# Altium PCB Copy of ECU rev B pcb.PcbDoc (part 5 of 5) (continued)
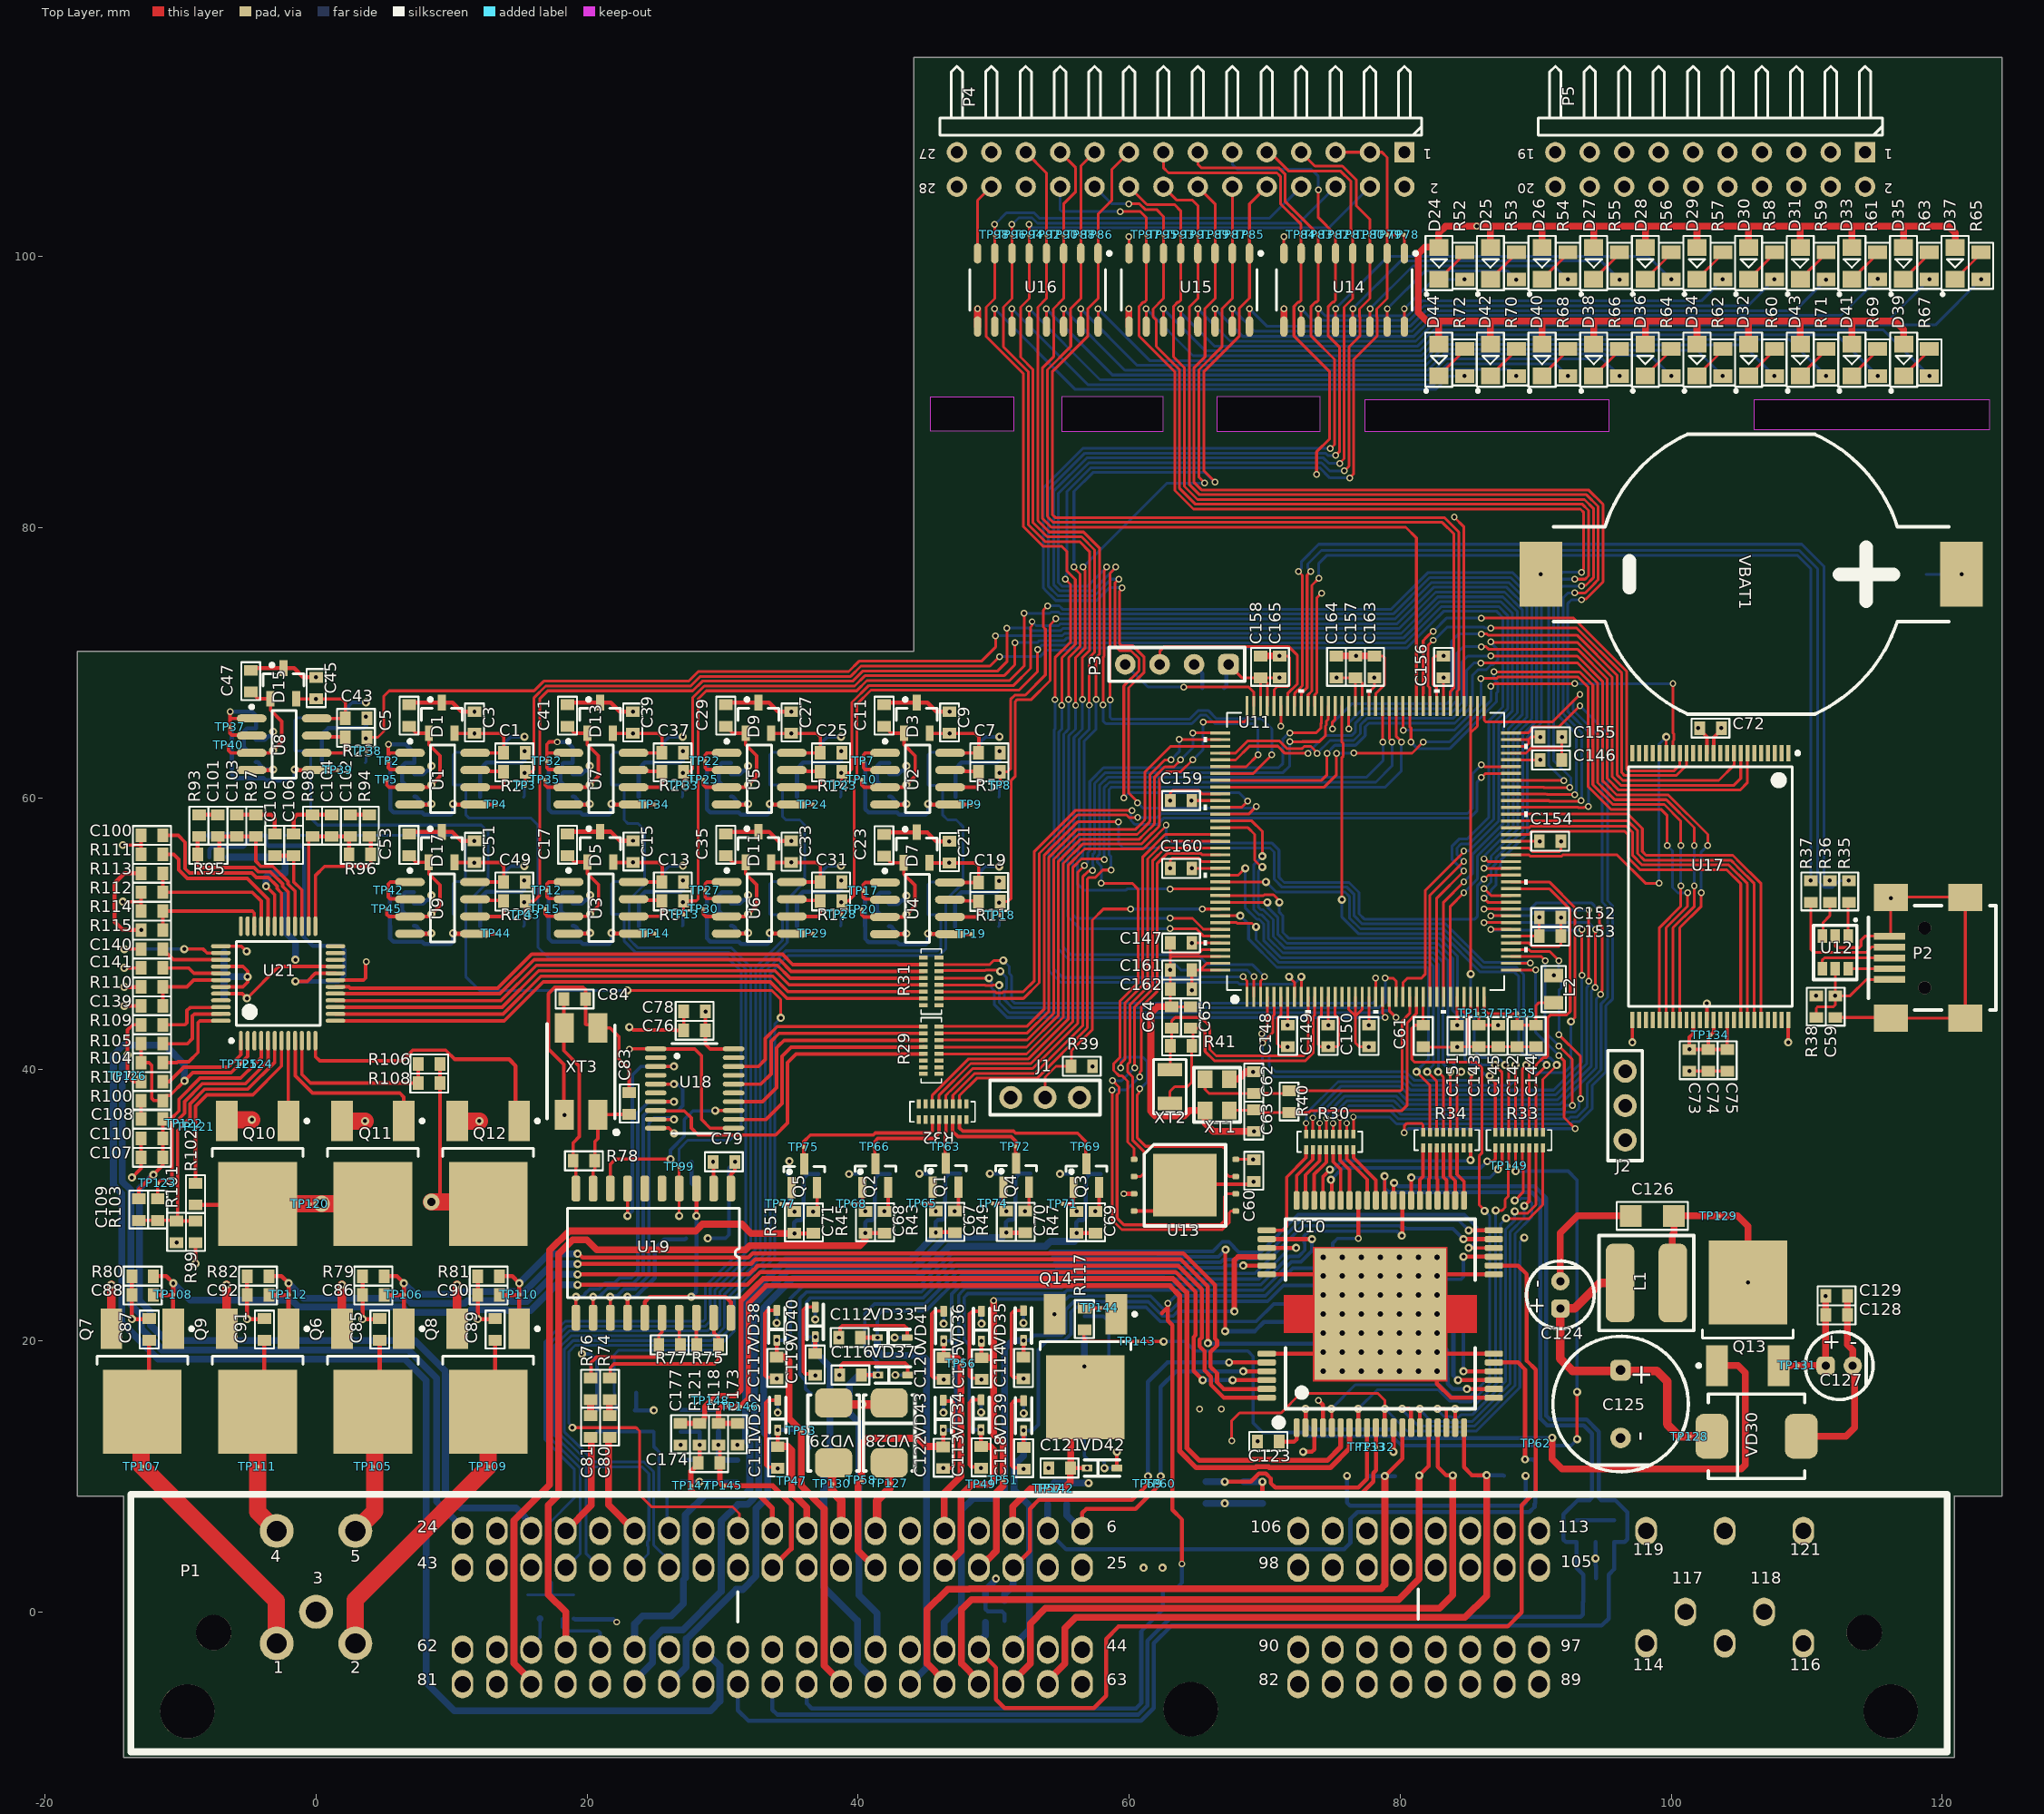
[diagram p0: Top Layer view]
## Nets (pads, with @x,y where several pads share a name; then routed paths per layer and width w, separated by ;. In a path a pad name is that pad's centre, name@x,y a point inside that pad or via, vN(x,y) a via of type N, cw(c..) or ccw(c..) an arc to the next point about the centre after c; other vN are vias at no path point) (continued)
  Bottom Layer w0.203: v2(58.166,55.499) 58.166,60.815 58.553,61.201 78.2,61.201 79.4,62.402 v2@79.4,64.168
PG8: U11.88 U13.1 | length 57.3
  Top Layer w0.203: v2(57.937,53.746) 60.223,53.746 60.655,53.315 60.655,46.385 59.334,45.065 59.334,40.919 58.852,40.437 58.852,39.953 59.272,39.532 59.502,39.532 59.893,39.141 59.893,34.656 60.364,34.185 U13.1@60.364,33.377 ; U11.88@78.699,66.814 78.699,64.38 v2@78.733,64.346
  Bottom Layer w0.203: v2(57.937,53.746) 57.937,55.015 57.662,55.29 57.662,55.708 57.81,55.856 57.81,60.962 58.405,61.557 77.5,61.557 78.74,62.797 v2@78.74,64.168
  other v2: 78.733,64.168
PG9: R34.4 U11.122 | length 38.6
  Top Layer w0.203: U11.122@66.73,58.346 69.056,58.346 69.82,57.582 v1(69.82,55.746) ; R34.4@83.689,35.373 83.689,35.357 83.7,35.346 v1(83.7,39.846)
  Bottom Layer w0.203: v1(69.82,55.746) 69.82,55.729 69.19,55.1 69.19,51.823 69.572,51.442 69.743,51.442 70.276,50.909 70.276,49.678 71.342,48.612 80.625,48.612 82.474,48.612 83.164,47.922 83.164,46.073 83.164,40.435 83.7,39.899 v1(83.7,39.846)
PG10: R34.3 U11.123 | length 38
  Top Layer w0.203: U11.123@66.73,57.846 68.773,57.846 69.266,57.353 69.266,55.449 69.77,54.946 v1(69.82,54.946) ; R34.3@84.189,35.373 84.189,39.535 v1(84.5,39.846)
  Bottom Layer w0.203: v1(69.82,54.946) 69.82,54.926 69.546,54.652 69.546,51.971 69.719,51.798 69.891,51.798 70.632,51.056 70.632,49.825 71.489,48.968 80.772,48.968 82.621,48.968 83.52,48.07 83.52,46.22 83.52,40.826 v1(84.5,39.846)
PG11: U11.124 U13.7 | length 40.8
  Top Layer w0.203: v2(59.385,40.132) 59.402,40.149 59.402,40.484 59.69,40.771 59.69,44.917 61.011,46.238 61.011,55.697 62.659,57.346 U11.124@66.73,57.346 ; v2(60.782,38.583) 60.725,38.526 60.725,38.272 60.604,38.151 60.604,34.95 61.214,34.341 66.878,34.341 67.158,34.061 67.158,32.334 67.385,32.107 U13.7@67.864,32.107
  Bottom Layer w0.203: v2(59.385,40.132) 59.385,40.64 59.665,40.919 61.011,40.919 61.341,40.589 61.341,39.116 60.808,38.583 v2(60.782,38.583)
PG12: U11.125 U13.2 | length 31
  Top Layer w0.203: U13.2@60.364,32.107 60.834,32.107 61.112,32.385 61.112,33.94 60.607,34.445 60.249,34.803 60.249,39.472 59.897,39.823 59.897,40.39 60.046,40.538 60.046,44.77 61.366,46.091 61.366,55.545 61.468,55.646 61.468,55.651 62.662,56.846 U11.125@66.73,56.846
PG13: U11.126 U13.6 | length 44.6
  Top Layer w0.203: v2(58.776,39.192) 58.777,39.192 59.254,38.715 59.254,38.298 59.106,38.149 59.106,29.055 59.611,28.55 66.726,28.55 67.031,28.854 67.031,30.632 67.235,30.837 U13.6@67.864,30.837 ; v2(60.401,40.136) 60.401,44.623 61.722,45.943 61.722,55.397 62.67,56.346 66.717,56.346 66.726,56.337 66.73,56.342 U11.126@66.73,56.346
  Bottom Layer w0.203: v2(58.776,39.192) 59.458,39.192 59.894,39.628 v2(60.401,40.136)
PG14: U11.127 U13.5 | length 43.8
  Top Layer w0.203: v2(58.75,38.506) 58.75,28.908 59.464,28.194 66.873,28.194 67.386,28.707 67.386,29.439 67.513,29.566 67.894,29.566 67.893,29.567 U13.5@67.864,29.567 ; v2(60.782,39.472) 60.802,39.491 60.802,39.823 60.909,39.931 60.909,44.628 62.078,45.796 62.078,55.22 62.813,55.955 65.283,55.955 65.342,55.896 65.392,55.846 U11.127@66.73,55.846
  Bottom Layer w0.203: v2(58.75,38.506) 59.817,38.506 v2(60.782,39.472)
"Phase sensor": C71.2 P1.79 R51.1 TP76.0 VD15.2 | length 59.9
  Top Layer w0.305: v1(35.301,27.928) C71.2@36.702,27.928
  Top Layer w0.508: P1.79@15.89,-5.33 15.89,-5.08 14.605,-3.795 14.605,6.731 17.24,9.366 17.24,24.352 17.24,26.666 18.671,28.097 28.021,28.097 28.524,28.6 31.413,28.6 32.085,27.928 v1(35.301,27.928)
  Bottom Layer w0.305: v1(35.301,27.928) 35.286,27.943 TP76.0@35.286,28.587 35.286,28.708 35.465,28.887 35.786,28.887 35.986,29.087 35.986,31.987 36.286,32.287 VD15.2@37.086,32.287
PhaseD: Q5.3 R32.11 TP75.0 | length 12.3
  Top Layer w0.254: Q5.3@36.028,33.04 36.028,33.045 35.986,33.087 TP75.0@35.986,34.285 35.986,34.687 36.478,35.179 41.137,35.179 41.29,35.331 45.333,35.331 45.482,35.48 R32.11@45.482,36.322
"RAM WP": U11.54 U17.19 | length 24.1
  Top Layer w0.203: U11.54@88.168,55.846 89.506,55.846 89.615,55.736 91.896,55.736 92.006,55.846 96,55.846 98.1,53.746 v2(99.1,53.746) ; U17.19@99.631,63.352 v1(99.631,64.538)
  Bottom Layer w0.203: v2(99.1,53.746) 99.1,64.007 v1(99.631,64.538)
RX_CAN: R30.16 U10.43 | length 4.4
  Top Layer w0.254: R30.16@76.553,34.096 76.553,33.503 78.209,31.847 U10.43@78.209,30.353
RX_Kl: R30.14 U10.46 | length 4
  Top Layer w0.254: R30.14@75.553,34.096 75.553,33.303 76.259,32.597 U10.46@76.259,30.353
"Select sensor": C67.2 P1.57 R43.1 TP64.0 VD11.2 | length 55.5
  Top Layer w0.305: v1(45.735,27.966) 45.769,28 47.102,28 C67.2@47.136,27.966
  Bottom Layer w0.305: v1@45.72,27.981 TP64.0@45.72,28.625 ; TP64.0@45.72,28.746 45.899,28.925 46.22,28.925 46.42,29.125 46.42,32.025 46.72,32.325 VD11.2@47.52,32.325
  Bottom Layer w0.508: P1.57@23.51,-2.79 23.51,-0.89 24.1,-0.3 26.2,-0.3 27.1,0.6 27.1,2.354 27.256,2.51 27.256,7.156 28.7,8.6 31.583,8.6 32.011,9.029 32.011,12.388 31.7,12.699 31.7,22.972 32.023,23.295 32.023,23.314 32.239,23.53 32.239,23.539 34.654,25.954 43.833,25.954 v1@45.779,27.9
SelectD: Q1.3 R32.13 TP63.0 | length 3.3
  Top Layer w0.254: Q1.3@46.462,33.078 46.462,33.083 46.42,33.125 TP63.0@46.42,34.323 46.42,35.371 46.482,35.433 R32.13@46.482,36.322
"Speed sensor": C68.2 P1.59 R45.1 TP67.0 VD12.2 | length 61.3
  Top Layer w0.305: v1(40.546,27.939) C68.2@41.947,27.939
  Top Layer w0.508: 17.145,1.276 17.145,7.874 17.9,8.629 17.9,26.392 18.94,27.432 19.99,27.432 20.726,26.695 31.677,26.695 31.996,27.014 40.124,27.014 40.513,27.403 40.513,27.793 40.546,27.826 v1(40.546,27.939) ; 17.174,1.241 18.43,-0.015 P1.59@18.43,-2.79
  Bottom Layer w0.305: v1(40.546,27.939) 40.531,27.954 TP67.0@40.531,28.598 40.531,28.719 40.71,28.898 41.031,28.898 41.231,29.098 41.231,31.998 41.531,32.298 VD12.2@42.331,32.298
SpeedD: Q2.3 R32.12 TP66.0 | length 7.7
  Top Layer w0.254: Q2.3@41.273,33.051 41.273,33.056 41.231,33.098 TP66.0@41.231,34.296 41.231,34.698 41.458,34.925 45.593,34.925 45.974,35.306 45.974,36.314 R32.12@45.982,36.322
Starter: C116.2 P1.50 TP52.0 U10.57 VD21.2 VD37.1 | length 60.1
  Top Layer w0.305: C116.2@40.234,17.471 v2(41.469,17.471) ; v1(68.415,25.545) 69.715,25.545 69.716,25.546 U10.57@70.152,25.546
  Bottom Layer w0.254: v2(41.469,17.471) 41.469,18.431 40.5,19.4 40.5,22 41.2,22.7 44.925,22.7 47.432,25.206 54.557,25.206 54.716,25.366 62.417,25.366 62.433,25.382 66.932,25.382 67.095,25.545 v1(68.415,25.545)
  Bottom Layer w0.508: P1.50@41.29,-2.79 41.29,-2.31 41.4,-2.2 41.4,-0.1 40.053,1.247 40.053,13.946 39.353,14.646 39.353,16.753 40.071,17.471 TP52.0@40.337,17.471 v2(41.469,17.471)
"Step phase A": C169.2 P1.67 TP138.0 U10.13 | length 54.6
  Top Layer w0.305: v1(78.871,10.01) 80.159,11.298 U10.13@80.159,13.589
  Top Layer w0.508: P1.67@46.37,-5.33 46.37,-5.08 45.089,-3.799 45.089,0.154 46.613,1.678 48.192,1.678 48.217,1.703 78.574,1.703 78.871,2.001 v1(78.871,10.01)
  Bottom Layer w0.305: C169.2@77.676,10.03 77.696,10.01 v1(78.871,10.01) TP138.0@79.629,10.01
"Step phase B": C168.2 P1.66 TP139.0 U10.16 | length 57.1
  Top Layer w0.305: v1(81.411,10.06) 82.109,10.757 U10.16@82.109,13.589
  Top Layer w0.508: P1.66@48.91,-5.33 48.91,-5.08 47.629,-3.799 47.629,0.181 48.364,0.916 79.887,0.916 81.411,2.44 v1(81.411,10.06)
  Bottom Layer w0.305: C168.2@77.676,8.633 80.955,8.633 81.411,9.089 v1(81.411,10.06)
"Step phase C": C167.2 P1.65 TP140.0 U10.17 | length 55.2
  Top Layer w0.305: U10.17@82.759,13.589 82.759,10.713 83.412,10.06 v1(83.886,10.06)
  Top Layer w0.508: P1.65@51.45,-5.33 51.45,-5.08 52.709,-3.821 52.709,-0.862 53.827,0.255 82.91,0.255 83.886,1.232 v1(83.886,10.06)
  Bottom Layer w0.305: v1@83.886,9.98 83.886,8.811 84.065,8.633 C167.2@87.663,8.633
"Step phase D": C166.2 P1.64 TP141.0 U10.20 | length 52.5
  Top Layer w0.305: U10.20@84.709,13.589 84.709,10.668 85.29,10.087 v1(86.376,10.087)
  Top Layer w0.508: P1.64@53.99,-5.33 53.99,-5.08 55.249,-3.821 55.249,-1.216 56.06,-0.405 84.789,-0.405 86.376,1.182 v1(86.376,10.087)
  Bottom Layer w0.305: TP141.0@85.725,10.033 86.322,10.033 v1(86.376,10.087) 87.606,10.087 C166.2@87.663,10.03
SWCLK: P3.4 U11.107 | length 11.4
  Top Layer w0.203: P3.4@59.69,69.873 P3.4@59.713,69.896 ; v2(64.039,68.224) 68.821,68.224 69.2,67.846 69.2,66.846 69.199,66.845 U11.107@69.199,66.814
  Bottom Layer w0.203: P3.4@59.713,69.896 61.385,68.224 v2(64.039,68.224)
SWDIO: P3.3 U11.102 | length 15.6
  Top Layer w0.203: P3.3@62.253,69.896 62.281,69.924 62.281,70.891 62.611,71.222 71.755,71.222 72.421,70.556 72.421,68.467 71.7,67.746 U11.102@71.699,66.814 U11.102@71.699,66.814
Taxo: C121.2 P1.8 Q14.4 R116.1 TP57.0 TP142.0 VD26.2 VD31.0 VD42.1 | length 16.9
  Top Layer w0.305: C121.2@55.7,11 55.7,10.643 C121.2@55.664,10.607 v2(56.899,10.607)
  Top Layer w0.508: P1.8@51.45,5.97 51.4,6.02 51.4,7.75 52.75,9.1 53.986,9.1 TP142.0@54.561,9.1 55.2,9.1 55.664,9.564 C121.2@55.664,10.607 ; C121.2@55.7,11 55.7,14.75 Q14.4@56.775,15.824
  Bottom Layer w0.508: v1(56.7,18.11) 56.7,18.6 56.8,18.7 56.7,18.8 R116.1@56.7,20.2
TaxoOut: R33.12 R117.2 TP143.0 | length 68.8
  Top Layer w0.203: v1(88.519,32.512) 88.519,34.219 R33.12@88.523,34.223
  Top Layer w0.254: R117.2@56.7,20.8 56.7,20.764 56.668,20.732 56.668,20.131 56.853,19.946 TP143.0@60.58,19.946 v1(62.553,19.946) ; v1(93.053,12.739) v1(93.053,16.227)
  Bottom Layer w0.254: v1(62.553,19.946) 64.153,19.946 64.853,19.246 65.454,19.246 66.253,19.246 68.753,19.246 69.153,18.846 69.153,13.946 69.853,13.246 72.953,13.246 73.253,12.946 79.407,12.946 80.097,12.257 92.615,12.257 v1@92.904,12.546 ; v1(88.519,32.512) 92.387,32.512 93.053,31.846 v1(93.053,16.227)
TPS: C10.2 D4.1 R5.2 TP8.0 U11.47 | length 81.7
  Top Layer w0.203: TP8.0@50.486,60.953 R5.2@50.486,61.97 51.024,61.97 51.244,62.19 51.244,67.307 51.572,67.634 52.344,67.634 53.819,69.109 53.819,72.507 53.67,72.656 53.67,73.896 v2(53.993,74.219) ; v2@86.2,52.646 v2(86.194,52.639) 86.487,52.346 U11.47@88.168,52.346
  Bottom Layer w0.203: D4.1@50.378,60.107 50.429,60.158 v1(50.429,61.885) ; v2(53.993,74.219) 54.835,74.219 55.089,73.965 79.338,73.965 82.027,76.653 88.304,76.653 90.424,74.534 90.424,65.583 89.396,64.555 89.396,57.436 87.415,55.455 87.415,55.042 87.06,54.687 87.06,53.605 86.704,53.25 86.704,53.137 86.206,52.639 v2(86.194,52.639)
"TPS sensor": C8.2 P1.16 R4.1 TP6.0 VD2.2 | length 96.9
  Top Layer w0.203: v1(18.923,13.589) 23.622,13.589 23.876,13.335 23.876,8.636 24.765,7.747 30.734,7.747 31.242,7.239 31.242,6.082 P1.16@31.13,5.97
  Bottom Layer w0.203: v1(18.923,13.589) 18.923,13.649 18.669,13.903 18.669,19.197 19.131,19.66 29.317,19.66 30.505,20.848 30.505,23.287 33.503,26.284 33.503,47.097 34.818,48.412 45.994,48.412 46.459,48.877 46.459,52.495 47.752,53.788 47.752,57.912 47.244,58.42 46.609,58.42 46.228,58.801 46.228,60.706 45.974,60.96 R4.1@45.212,60.96 ; R4.1@45.171,60.996 C8.2@45.171,62.393 45.171,63.231 45.349,63.409 TP6.0@46.069,63.409 VD2.2@46.789,63.409
TX_CAN: R30.15 U10.44 | length 4.4
  Top Layer w0.254: R30.15@76.053,34.096 76.053,33.403 77.559,31.897 U10.44@77.559,30.353
TX_Kl: R30.13 U10.47 | length 4
  Top Layer w0.254: R30.13@75.053,34.096 75.053,33.203 75.609,32.647 U10.47@75.609,30.353
"USB ID": R37.1 U11.99 | length 70.8
  Top Layer w0.203: U11.99@73.199,66.814 73.199,67.648 73.488,67.936 73.488,75.733 v2(74,76.246)
  Bottom Layer w0.203: v2(74,76.246) 74,77.346 74.6,77.946 109.3,77.946 110.3,76.946 v2(110.3,53.946)
"USB Vin": R38.2 U11.98 | length 73.1
  Top Layer w0.203: U11.98@73.699,66.814 73.699,67.645 73.843,67.789 73.843,74.789 v2(74.2,75.146)
  Power w0.203: v2(74.2,75.146) 75.537,73.808 108.387,73.808 108.8,73.395 108.8,46.546 109.916,45.43 110.684,45.43 v2(110.7,45.446)
USB_N: R35.1 U11.100 | length 75.2
  Top Layer w0.203: U11.100@72.699,66.814 72.699,67.739 73.132,68.172 73.132,76.478 v2(73.4,76.746)
  Bottom Layer w0.203: v2(73.4,76.746) 73.4,76.792 73.179,77.013 73.179,77.3 74.179,78.301 109.447,78.301 110.804,76.945 110.804,53.934 111.296,53.442 111.909,53.442 112.413,53.946 v2(113.1,53.946)
USB_P: R36.1 U11.101 | length 74.4
  Top Layer w0.203: U11.101@72.199,66.814 72.199,67.742 72.777,68.319 72.777,76.469 v2@72.515,76.731
  Bottom Layer w0.203: v2(72.5,76.746) 72.5,76.792 72.721,77.013 72.721,77.49 73.99,78.758 109.637,78.758 111.261,77.134 111.261,54.123 111.382,54.002 111.643,54.002 v2(111.7,53.946)
Vbatt: P1.12 P5.1 P5.2 R85.2 R110.2 R116.2 TP127.0 VD1.1 VD2.1 VD3.1 VD4.1 VD5.1 VD6.1 VD7.1 VD8.1 VD9.1 VD11.1 VD12.1 VD13.1 VD14.1 VD15.1 VD16.1 VD17.1 VD18.1 VD19.1 VD20.1 VD21.1 VD22.1 VD23.1 VD24.1 VD25.1 VD26.1 VD27.1 VD28.0 VD31.1 | length 412
  Top Layer w0.305: v1(-14.159,46.101) R110.2@-12.903,46.101
  Top Layer w0.635: P1.12@41.4,6 41.4,8.2 42.3,9.1 TP127.0@42.3,9.461 VD28.0@42.3,10.99
  Top Layer w1.27: P1.12@41.29,5.97 41.37,5.97 P1.12@41.4,6
  Power w0.508: v1(-14.159,46.101) -15.78,46.101 ; v1(15.371,55.018) 15.371,58.042 15.669,58.339 27.074,58.339 ; v1(15.377,64.552) 15.395,64.57 15.395,64.635 15.4,64.64 15.4,67.468 ; v1(27.061,64.552) 27.061,67.377 27.152,67.468 ; v1(27.074,55.03) 27.074,58.339 ; v1(34.925,33.249) 34.913,33.237 34.913,32.136 ; v1(38.745,55.027) 38.745,58.346 ; v1(38.745,64.552) 38.745,67.468 ; v1(50.419,54.991) 50.419,58.048 50.121,58.346 49.3,58.346 ; v1@54.898,32.298 49.721,32.298 44.52,32.298 v1(39.331,32.298) 39.169,32.136 34.913,32.136 ; v1(58.181,10.607) 58.181,10.582 58.466,10.297 58.466,4.619 58.764,4.322 62.165,4.322 62.462,4.024 v1(62.462,3.26) ; -15.78,46.101 -15.78,24.965 -16.175,24.57 -16.175,23.69 -15.553,23.068 -8.06,23.068 -7.666,23.462 -7.666,30.637 -6.167,32.136 34.913,32.136 ; -15.78,46.101 -15.78,64.636 -12.827,67.589 -1.35,67.589 -1.052,67.887 -1.052,69.386 -0.43,70.008 0.802,70.008 3.718,67.092 4.094,67.468 15.4,67.468 ; 15.4,67.468 27.061,67.468 38.745,67.468 ; 27.074,58.339 27.074,58.346 38.745,58.346 ; 38.745,58.346 49.3,58.346 ; 38.745,67.468 50.131,67.468 50.429,67.17 v1(50.429,64.552) 49.706,64.552 49.3,64.146 49.3,58.346
  Power w0.635: v1(34,21.317) 34.228,21.546 35.4,21.546 ; v1(34.07,14.7) 35.346,14.7 ; P1.12@41.29,5.97 41.3,5.98 41.3,9.9 ; 42.701,21.198 42.329,21.57 v1(36.833,21.57) 36.808,21.546 35.4,21.546 ; v1(42.751,17.471) 42.751,20.181 v1(42.701,20.232) 42.701,21.268 v1(46.317,21.268) 49.097,21.268 v1(49.104,21.261) 52.158,21.261 v1(52.202,21.305) 52.202,21.418 54.9,24.116 v1(54.9,32.3) ; v1@46.3,14.7 47.681,14.7 47.681,9.815 47.309,9.443 43.637,9.443 43.18,9.9 41.3,9.9 ; 47.681,14.687 49.047,14.687 v1(49.079,14.719) 49.144,14.654 v1(52.214,14.654) 57.602,14.654 57.974,14.282 57.974,10.814 v1(58.181,10.607) ; 35.346,14.7 35.4,14.7 35.4,21.546 ; 35.346,14.7 40.146,9.9 41.3,9.9
  Bottom Layer w0.254: VD8.1@2.253,65.949 2.253,66.668 2.677,67.092 v1(3.693,67.092) ; VD9.1@13.931,53.875 13.931,54.594 14.355,55.018 v1(15.371,55.018) ; VD1.1@13.937,63.409 13.937,64.128 14.361,64.552 v1(15.377,64.552) ; VD7.1@25.621,63.409 25.621,64.128 26.045,64.552 v1(27.061,64.552) ; VD3.1@25.634,53.887 25.634,54.606 26.058,55.03 v1(27.074,55.03) ; v1(34,21.317) VD22.1@34,22.235 ; v1(34.07,14.7) VD16.1@34.07,15.617 ; VD15.1@34.886,32.287 34.786,32.287 34.925,32.426 v1(34.925,33.249) ; v1(36.833,21.57) VD24.1@36.833,22.488 ; VD6.1@37.305,53.884 37.305,54.603 37.729,55.027 v1(38.745,55.027) ; VD5.1@37.305,63.409 37.305,64.128 37.729,64.552 v1(38.745,64.552) ; v1(39.331,32.298) 40.031,32.298 VD12.1@40.131,32.298 ; v1(42.701,20.232) VD17.1@43.618,20.232 ; v1(42.751,17.471) VD21.1@43.669,17.471 ; v1(44.52,32.325) 45.22,32.325 VD11.1@45.32,32.325 ; VD27.1@46.284,15.611 46.289,15.611 46.3,15.6 v1(46.3,14.7) ; v1(46.317,21.268) VD25.1@46.317,22.186 ; VD4.1@48.979,53.848 48.979,54.567 49.403,54.991 v1(50.419,54.991) ; VD2.1@48.989,63.409 48.989,64.128 49.413,64.552 v1(50.429,64.552) ; v1(49.079,14.719) VD18.1@49.079,15.637 ; v1(49.104,21.261) VD20.1@49.104,22.179 ; v1(49.721,32.325) 50.421,32.325 VD14.1@50.521,32.325 ; v1(52.202,21.305) VD19.1@52.202,22.223 ; v1(52.214,14.654) VD23.1@52.214,15.572 ; v1(54.9,32.3) 55.6,32.3 VD13.1@55.7,32.3 ; R116.2@56.7,21.8 58.1,21.8 58.5,21.4 58.5,13.992 58.198,13.691 VD31.1@56.7,13.691 56.7,11.49 56.983,11.207 57.999,11.207 58.172,11.034 58.172,10.617 v1(58.181,10.607) VD26.1@59.099,10.607
Vcc: C123.2 C126.2 D24.2 D25.2 D26.2 D27.2 D28.2 D29.2 D30.2 D31.2 D32.2 D33.2 D34.2 D35.2 D36.2 D37.2 D38.2 D39.2 D40.2 D41.2 D42.2 D43.2 D44.2 L1.2 P5.3 P5.4 Q13.4 TP129.0 U10.12 U14.9 U15.9 U16.9 | length 182.8
  Top Layer w0.305: v1@79.509,12.072 U10.12@79.509,13.589 ; L1.2@100.076,24.13 100.121,24.175 L1.2@100.121,24.257
  Top Layer w0.508: U16.9@48.814,94.817 v2(48.814,96.12) ; U15.9@59.99,94.817 v2(59.99,96.12) ; U14.9@71.42,94.817 v2(71.42,96.12) ; D24.2@82.82,100.692 81.834,100.692 81.326,100.184 81.326,95.866 81.961,95.231 82.85,95.231 ; D44.2@82.85,93.517 82.85,95.231 ; D24.2@82.865,100.647 82.851,100.934 82.85,101.454 82.85,101.708 83.358,102.216 v2(85.645,102.216) 86.66,102.216 ; D42.2@86.66,93.517 86.66,95.231 ; D25.2@86.66,100.647 86.66,102.216 ; D40.2@90.47,93.517 90.47,95.231 ; D26.2@90.47,100.647 90.47,102.216 ; D38.2@94.28,93.517 94.28,95.231 ; D27.2@94.28,100.647 94.28,102.216 ; D36.2@98.09,93.517 98.09,95.231 ; D28.2@98.09,100.647 98.09,102.108 98.199,102.216 ; L1.2@100.076,24.13 100.076,27.813 100.203,27.94 C126.2@100.203,29.21 104.902,29.21 105.658,28.454 v1(105.658,24.291) ; D34.2@101.9,93.517 101.9,95.231 ; D29.2@101.9,100.647 101.9,102.216 ; D32.2@105.71,93.517 105.71,95.231 ; D30.2@105.71,100.647 105.71,102.216 ; D43.2@109.52,93.517 109.52,95.231 ; D31.2@109.52,100.647 109.52,102.216 ; D41.2@113.33,93.517 113.33,95.231 ; D33.2@113.33,100.647 113.33,102.216 ; D39.2@117.14,93.517 117.14,94.596 116.505,95.231 113.33,95.231 ; D35.2@117.14,100.647 117.14,102.216 ; D37.2@120.95,100.647 120.95,101.708 120.442,102.216 117.14,102.216 ; 82.85,95.231 86.66,95.231 ; 86.66,95.231 90.47,95.231 ; 86.66,102.216 90.47,102.216 ; 90.47,95.231 94.28,95.231 ; 90.47,102.216 94.28,102.216 ; 94.28,95.231 98.09,95.231 ; 94.28,102.216 98.199,102.216 ; 98.09,95.231 101.9,95.231 ; 98.199,102.216 101.9,102.216 ; 101.9,95.231 105.71,95.231 ; 101.9,102.216 105.71,102.216 ; 105.71,95.231 109.52,95.231 ; 105.71,102.216 109.52,102.216 ; 109.52,95.231 113.33,95.231 ; 109.52,102.216 113.33,102.216 ; 113.33,102.216 117.14,102.216
  Power w0.508: v1(69.469,12.573) 79.183,12.573 79.484,12.272 79.484,11.829 v1(79.502,11.811) 79.527,11.811 79.667,11.951 95.489,11.951 95.782,11.659 96.75,11.659 97.043,11.951 104.106,11.951 105.658,13.504 v1(105.658,24.291)
VDD_G: Q13.1 U10.2 | length 46.5
  Top Layer w0.305: U10.2@73.009,13.589 73.025,13.589 v1(73.025,14.986)
  Top Layer w0.508: v1(91.22,12.836) 91.22,11.279 91.953,10.546 105.155,10.546 105.453,10.844 105.453,17.646 104.938,18.161 Q13.1@103.378,18.161
  Bottom Layer w0.305: v1(73.025,14.986) 73.025,13.843 73.406,13.462 79.502,13.462 80.137,12.827 v1@91.22,12.827
Vin: C124.1 C125.1 L1.1 TP128.0 VD28.1 VD29.1 VD30.1 | length 97.1
  Top Layer w0.635: VD29.1@38.6,15.3 v1(40.3,15.3) 42.191,15.3 VD28.1@42.3,15.409 ; L1.1@96.221,24.257 94.742,24.257 92.869,22.384 C124.1@91.821,22.384 91.821,18.669 92.71,17.78 98.933,17.78 99.695,17.018 99.695,13.843 100.584,12.954 VD30.1@102.999,12.954
  Top Layer w1.27: VD29.1@38.2,15.409 38.49,15.409 VD29.1@38.6,15.3
  Power w0.635: v1@40.348,15.3 44.264,15.3 44.91,15.946 59.5,15.946 61.679,13.767 88.521,13.767 89.5,14.746 95.5,14.746 96.266,15.512 C125.1@96.266,17.827
  Power w1.27: C124.1@91.821,22.384 95.362,22.384 96.266,21.48 C125.1@96.266,17.827
Vkey: P1.13 P5.5 P5.6 TP130.0 U10.11 VD29.0 | length 86.4
  Top Layer w0.203: v2(67.564,12.624) 67.564,14.097 68.148,14.681 71.222,14.681 72.651,16.11 78.359,16.11 78.859,15.61 v1@78.859,14.978
  Top Layer w0.254: P1.13@38.745,5.975 P1.13@38.75,5.97
  Top Layer w0.305: U10.11@78.859,13.589 v1@78.859,14.978
  Top Layer w0.635: VD29.0@38.2,10.99 38.1,10.89 TP130.0@38.1,9.422 38.1,8.9 38.745,8.255 P1.13@38.745,5.975
  Power w0.635: P1.13@38.75,5.97 39.039,5.97 39.065,5.944 39.065,5.405 40.02,4.45 40.02,2.055 40.462,1.613 65.333,1.613 65.705,1.985 65.705,10.765 v2(67.564,12.624)
  Bottom Layer w0.203: v1(78.859,14.986) 78.867,14.986 80.518,13.335 83.321,13.335 83.388,13.268 84.73,13.268 84.797,13.335 85.616,13.335 88.831,16.55 88.831,25.966 88.853,25.988 88.853,27.305 v1(89.153,27.605)
Vmain: P1.44 P1.63 R28.1 | length 47.5
  Power w0.508: v2(22.2,-0.754) 22.2,-6.354 22.931,-7.085 56.011,-7.085 56.53,-6.567 P1.63@56.53,-5.33
  Power w1.27: P1.63@56.53,-5.33 P1.44@56.53,-2.79
  Bottom Layer w0.305: R28.1@19.012,-0.504 19.05,-0.504 19.1,-0.554 21.947,-0.554 22.147,-0.754 v2(22.2,-0.754)
VRS: R33.11 TP149.0 U10.8 | length 30.8
  Top Layer w0.203: v1(87.053,29.611) 87.518,29.611 87.742,29.834 87.742,30.418 87.965,30.641 87.965,32.741 87.992,32.769 87.992,32.874 TP149.0@88.011,32.893 88.011,34.211 R33.11@88.023,34.223
  Top Layer w0.305: U10.8@76.909,13.589 v1(76.909,14.986)
  Bottom Layer w0.203: v1(76.909,14.986) 78.313,16.39 82.802,16.39 83.657,15.535 83.825,15.535 83.83,15.54 84.288,15.54 84.332,15.497 85.263,15.497 87.053,17.287 v1(87.053,29.611)
VRS_N: C173.2 R118.2 TP146.0 U10.7 | length 71.3
  Top Layer w0.381: C173.2@31.1,13.9 R118.2@29.7,13.9 29.7,14.919 29.923,15.142 TP146.0@31.287,15.142 31.887,15.742 31.887,20.421 31.903,20.437 31.903,22.736 33.221,24.055 63.001,24.055 63.722,23.334 63.722,11.87 64.957,10.635 69.312,10.635 69.379,10.702 70.29,10.702 70.357,10.635 74.834,10.635 76.259,12.06 U10.7@76.259,13.589
VRS_P: C177.2 R121.2 TP148.0 U10.6 | length 71.7
  Top Layer w0.381: C177.2@26.9,13.9 R121.2@28.3,13.9 28.4,13.9 28.61,14.11 28.61,14.26 28.683,14.333 28.683,15.14 29.107,15.564 29.497,15.954 30.964,15.954 31.353,16.344 31.353,22.964 32.659,24.27 32.682,24.27 33,24.588 63.222,24.588 64.255,23.555 64.255,12.091 65.178,11.168 69.091,11.168 69.158,11.235 70.511,11.235 70.578,11.168 74.613,11.168 75.609,12.164 U10.6@75.609,13.589
VUSB: C59.1 C163.2 P2.1 R38.1 U11.90 U12.5 | length 66
  Top Layer w0.203: U11.90@77.699,66.814 77.699,67.845 78.1,68.246 v1(78.099,68.914) v1(78.099,68.914) ; R38.1@110.7,43.846 110.7,44.527 110.819,44.646 111.981,44.646 112.1,44.765 v2(112.1,45.446) ; U12.5@112.1,47.446 v2(112.1,45.446) ; P2.1@116.1,46.646 114.4,46.646 113.2,45.446 v2(112.1,45.446)
  Power w0.254: v1(78.099,68.914) 78.83,69.646 83.7,69.646 87.037,66.309 103.335,66.309 108.2,61.444 108.2,46.146 109.8,44.546 111.8,44.546 112.1,44.846 v2(112.1,45.446)
WDA: R34.9 U10.38 | length 4
  Top Layer w0.254: U10.38@81.459,30.353 81.459,31.875 81.689,32.105 R34.9@81.689,34.223
"WLS in": P1.55 R100.2 R104.2 R105.2 TP125.0 U21.2 | length 115.8
  Top Layer w0.203: P1.55@28.59,-2.79 P1.55@28.617,-2.79 ; P1.55@28.59,-2.763 P1.55@28.617,-2.79 ; P1.55@28.712,-2.885 P1.55@28.617,-2.79
  Top Layer w0.254: R105.2@-12.903,41.91 -12.954,41.859 -12.903,41.808 R104.2@-12.903,40.513 -12.325,40.513 -12.115,40.303 -12.115,37.868 -11.966,37.719 R100.2@-11.303,37.719 -11.303,37.819 -11.03,38.092 -10.778,38.092 v1(-9.703,39.167) -9.095,39.775 -6.26,39.775 TP125.0@-5.65,40.385 -5.044,40.991 U21.2@-5.044,42.13
  Bottom Layer w0.508: -11.794,18.796 -11.642,18.644 6.542,18.644 8.128,17.057 8.128,17.032 8.128,2.794 8.128,-5.228 10.2,-7.3 29.1,-7.3 29.8,-6.6 29.8,-4 P1.55@28.59,-2.79 ; -11.681,18.683 -14.335,21.337 -14.335,30.856 -14.948,31.469 -14.948,41.073 -14.216,41.804 -11.134,41.804 -9.703,40.373 v1(-9.703,39.167)
pads on no net: J1.1 J2.3 P1.0 P1.82 P1.83 P1.84 P1.85 P1.86 P1.87 P1.88 P1.89 P1.90 P1.91 P1.92 P1.93 P1.94 P1.95 P1.96 P1.97 P1.98 P1.99 P1.100 P1.101 P1.102 P1.103 P1.104 P1.105 P1.106 P1.107 P1.108 P1.109 P1.110 P1.111 P1.112 P1.113 P1.114 P1.115 P1.116 P1.117 P1.118 P1.119 P1.120 P1.121 P2.7 R28.3 R29.1 R29.2 R29.3 R29.14 R29.15 R29.16 R31.1 R31.8 R31.9 R31.16 R32.1 R32.7 R32.8 R32.9 R32.10 R32.16 R34.2 R34.15 U11.15 U17.1 U17.2 U17.3 U17.4 U17.5 U17.6 U17.10 U17.11 U17.14 U17.15 U17.20 U17.21 U17.22 U17.23 U17.24 U17.26 U17.27 U17.28 U17.33 U17.35 U17.38 U17.40 U17.45 U17.46 U17.47 U18.2 U18.4 U18.6 U18.15 U18.17 U18.19 U19.5 U19.6 U21.3 U21.11 U21.22 U21.23 U21.24 U21.35 U21.36 U21.45 XT2.3

## Polygon pours and split planes (outlines as drawn)
GND on GND "GND_GND_P003" (solid, pour order 3): 55.672,70.847 44.496,70.847 44.496,114.281 124.1,114.281 124.1,34.946 45.7,34.946 45.7,48.346 55.672,48.346
GND on GND "GND_GND_P001" (solid, pour order 1): 120.6,8.846 124.1,8.846 124.1,34.646 45.529,34.646 45.339,34.836 45.339,48.436 4.42,48.436 4.42,60.436 -7.18,60.436 -7.18,70.485 -17.38,70.485 -17.38,25.236 17.018,25.236 17.018,-10.164 120.6,-10.164
GND on GND "GND_GND_P002" (solid, pour order 2): -17.38,25.036 16.82,25.036 16.82,-10.164 -13.9,-10.164 -13.9,9.036 -17.38,9.036
GND on GND "GND_GND_P000" (solid, pour order 0): -6.985,70.485 -6.985,60.636 4.699,60.636 4.699,48.636 55.291,48.636 55.291,70.485 4.699,70.485
3V3 on Power "POWER_3V3_P007" (solid, pour order 7): 55.672,70.847 44.496,70.847 44.496,114.281 124.1,114.283 124.1,34.946 45.7,34.946 45.7,48.346 55.672,48.346
Vcc on Power "POWER_VCC_P006" (solid, pour order 6): 58.9,34.746 58.9,-10.554 120.6,-10.554 120.6,8.846 124.1,8.846 124.1,34.646
5V on Power "POWER_5V_P005" (solid, pour order 5): -17.374,70.485 -7.188,70.485 -7.188,60.452 4.42,60.452 4.42,48.438 45.339,48.438 45.339,34.746 58.75,34.746 58.75,-10.566 -13.97,-10.566 -13.97,9.042 -17.374,9.042
5V on Power "POWER_5V_P004" (solid, pour order 4): -6.985,70.485 -6.985,60.63 4.699,60.63 4.699,48.641 55.291,48.641 55.291,70.458

## Silkscreen, mask and mechanical layers (free items; w line width, h text height)
Board:
  the board outline again, w0.254

## Dimensions
124.4,8.546 to -14.2,8.546 on Mechanical 7
-14.2,-10.754 to -17.6,70.847 on Mechanical 7

## Text inside footprints (layer, text, board x,y; h text height)
C124: Top Overlay "-" at 90.994,23.9 h2.03 r90; Top Overlay "+" at 90.994,21.9 h2.03 r90
C125: Top Overlay "-" at 97.166,13.327 h1.52 r270; Top Overlay "+" at 97.166,18.327 h1.52 r270
C127: Top Overlay "-" at 113.149,18.988 h2.03; Top Overlay "+" at 111.149,18.988 h2.03
P1: Top Overlay "1" at -3.15,-4.83 h1.52; Top Overlay "2" at 2.55,-4.83 h1.52; Top Overlay "3" at -0.25,1.77 h1.52; Top Overlay "4" at -3.35,3.37 h1.52; Top Overlay "5" at 2.55,3.37 h1.52; Top Overlay "6" at 58.35,5.57 h1.52; Top Overlay "25" at 58.35,2.87 h1.52; Top Overlay "44" at 58.35,-3.23 h1.52; Top Overlay "63" at 58.35,-5.73 h1.52; Top Overlay "82" at 69.55,-5.73 h1.52; Top Overlay "90" at 69.55,-3.23 h1.52; Top Overlay "98" at 69.55,2.87 h1.52; Top Overlay "106" at 68.95,5.57 h1.52; Top Overlay "114" at 97.15,-4.63 h1.52; Top Overlay "116" at 108.75,-4.63 h1.52; Top Overlay "117" at 100.05,1.77 h1.52; Top Overlay "118" at 105.85,1.77 h1.52; Top Overlay "119" at 97.15,3.87 h1.52; Top Overlay "121" at 108.75,3.87 h1.52; Top Overlay "81" at 7.45,-5.73 h1.52; Top Overlay "62" at 7.45,-3.23 h1.52; Top Overlay "43" at 7.45,2.87 h1.52; Top Overlay "24" at 7.45,5.57 h1.52; Top Overlay "113" at 91.65,5.57 h1.52; Top Overlay "105" at 91.85,2.97 h1.52; Top Overlay "97" at 91.85,-3.23 h1.52; Top Overlay "89" at 91.85,-5.73 h1.52; Bottom Overlay "89" at 94.05,-5.83 h1.52; Bottom Overlay "97" at 94.05,-3.33 h1.52; Bottom Overlay "105" at 92.583,1.27 h1.52; Bottom Overlay "113" at 92.309,7.345 h1.52; Bottom Overlay "24" at 8.15,5.47 h1.52; Bottom Overlay "43" at 8.15,2.77 h1.52; Bottom Overlay "62" at 8.15,-3.33 h1.52; Bottom Overlay "81" at 8.15,-5.83 h1.52; Bottom Overlay "121" at 110.95,3.77 h1.52; Bottom Overlay "119" at 99.35,3.77 h1.52; Bottom Overlay "118" at 108.05,1.67 h1.52; Bottom Overlay "117" at 102.25,1.67 h1.52; Bottom Overlay "116" at 110.95,-4.73 h1.52; Bottom Overlay "114" at 99.35,-4.73 h1.52; Bottom Overlay "106" at 70.993,7.112 h1.52 r270; Bottom Overlay "98" at 70.358,2.667 h1.52 r270; Bottom Overlay "90" at 70.25,-3.33 h1.52; Bottom Overlay "82" at 70.25,-5.83 h1.52; Bottom Overlay "63" at 59.85,-5.83 h1.52; Bottom Overlay "44" at 59.85,-3.33 h1.52; Bottom Overlay "25" at 59.85,2.77 h1.52; Bottom Overlay "6" at 59.85,5.47 h1.52; Bottom Overlay "5" at 3.25,3.27 h1.52; Bottom Overlay "4" at -2.65,3.27 h1.52; Bottom Overlay "3" at 0.45,1.67 h1.52; Bottom Overlay "2" at 3.25,-4.93 h1.52; Bottom Overlay "1" at -2.45,-4.93 h1.52
P3: Bottom Overlay "SWCLK" at 57.273,72.396 h1.2 r90; Bottom Overlay "SWDIO" at 58.083,72.396 h1.2 r90; Bottom Overlay "GND" at 58.893,72.396 h1.2 r90; Bottom Overlay "V+" at 59.713,72.396 h1.2 r90
P4: Top Overlay "28" at 45.766,105.645 h1.27 r180; Top Overlay "27" at 45.766,108.185 h1.27 r180; Top Overlay "1" at 82.342,108.185 h1.27 r180; Top Overlay "2" at 82.85,105.645 h1.27 r180
P5: Top Overlay "20" at 89.926,105.645 h1.27 r180; Top Overlay "19" at 89.926,108.185 h1.27 r180; Top Overlay "2" at 116.342,105.645 h1.27 r180; Top Overlay "1" at 116.342,108.185 h1.27 r180